# KiCad board multistepper.kicad_pcb
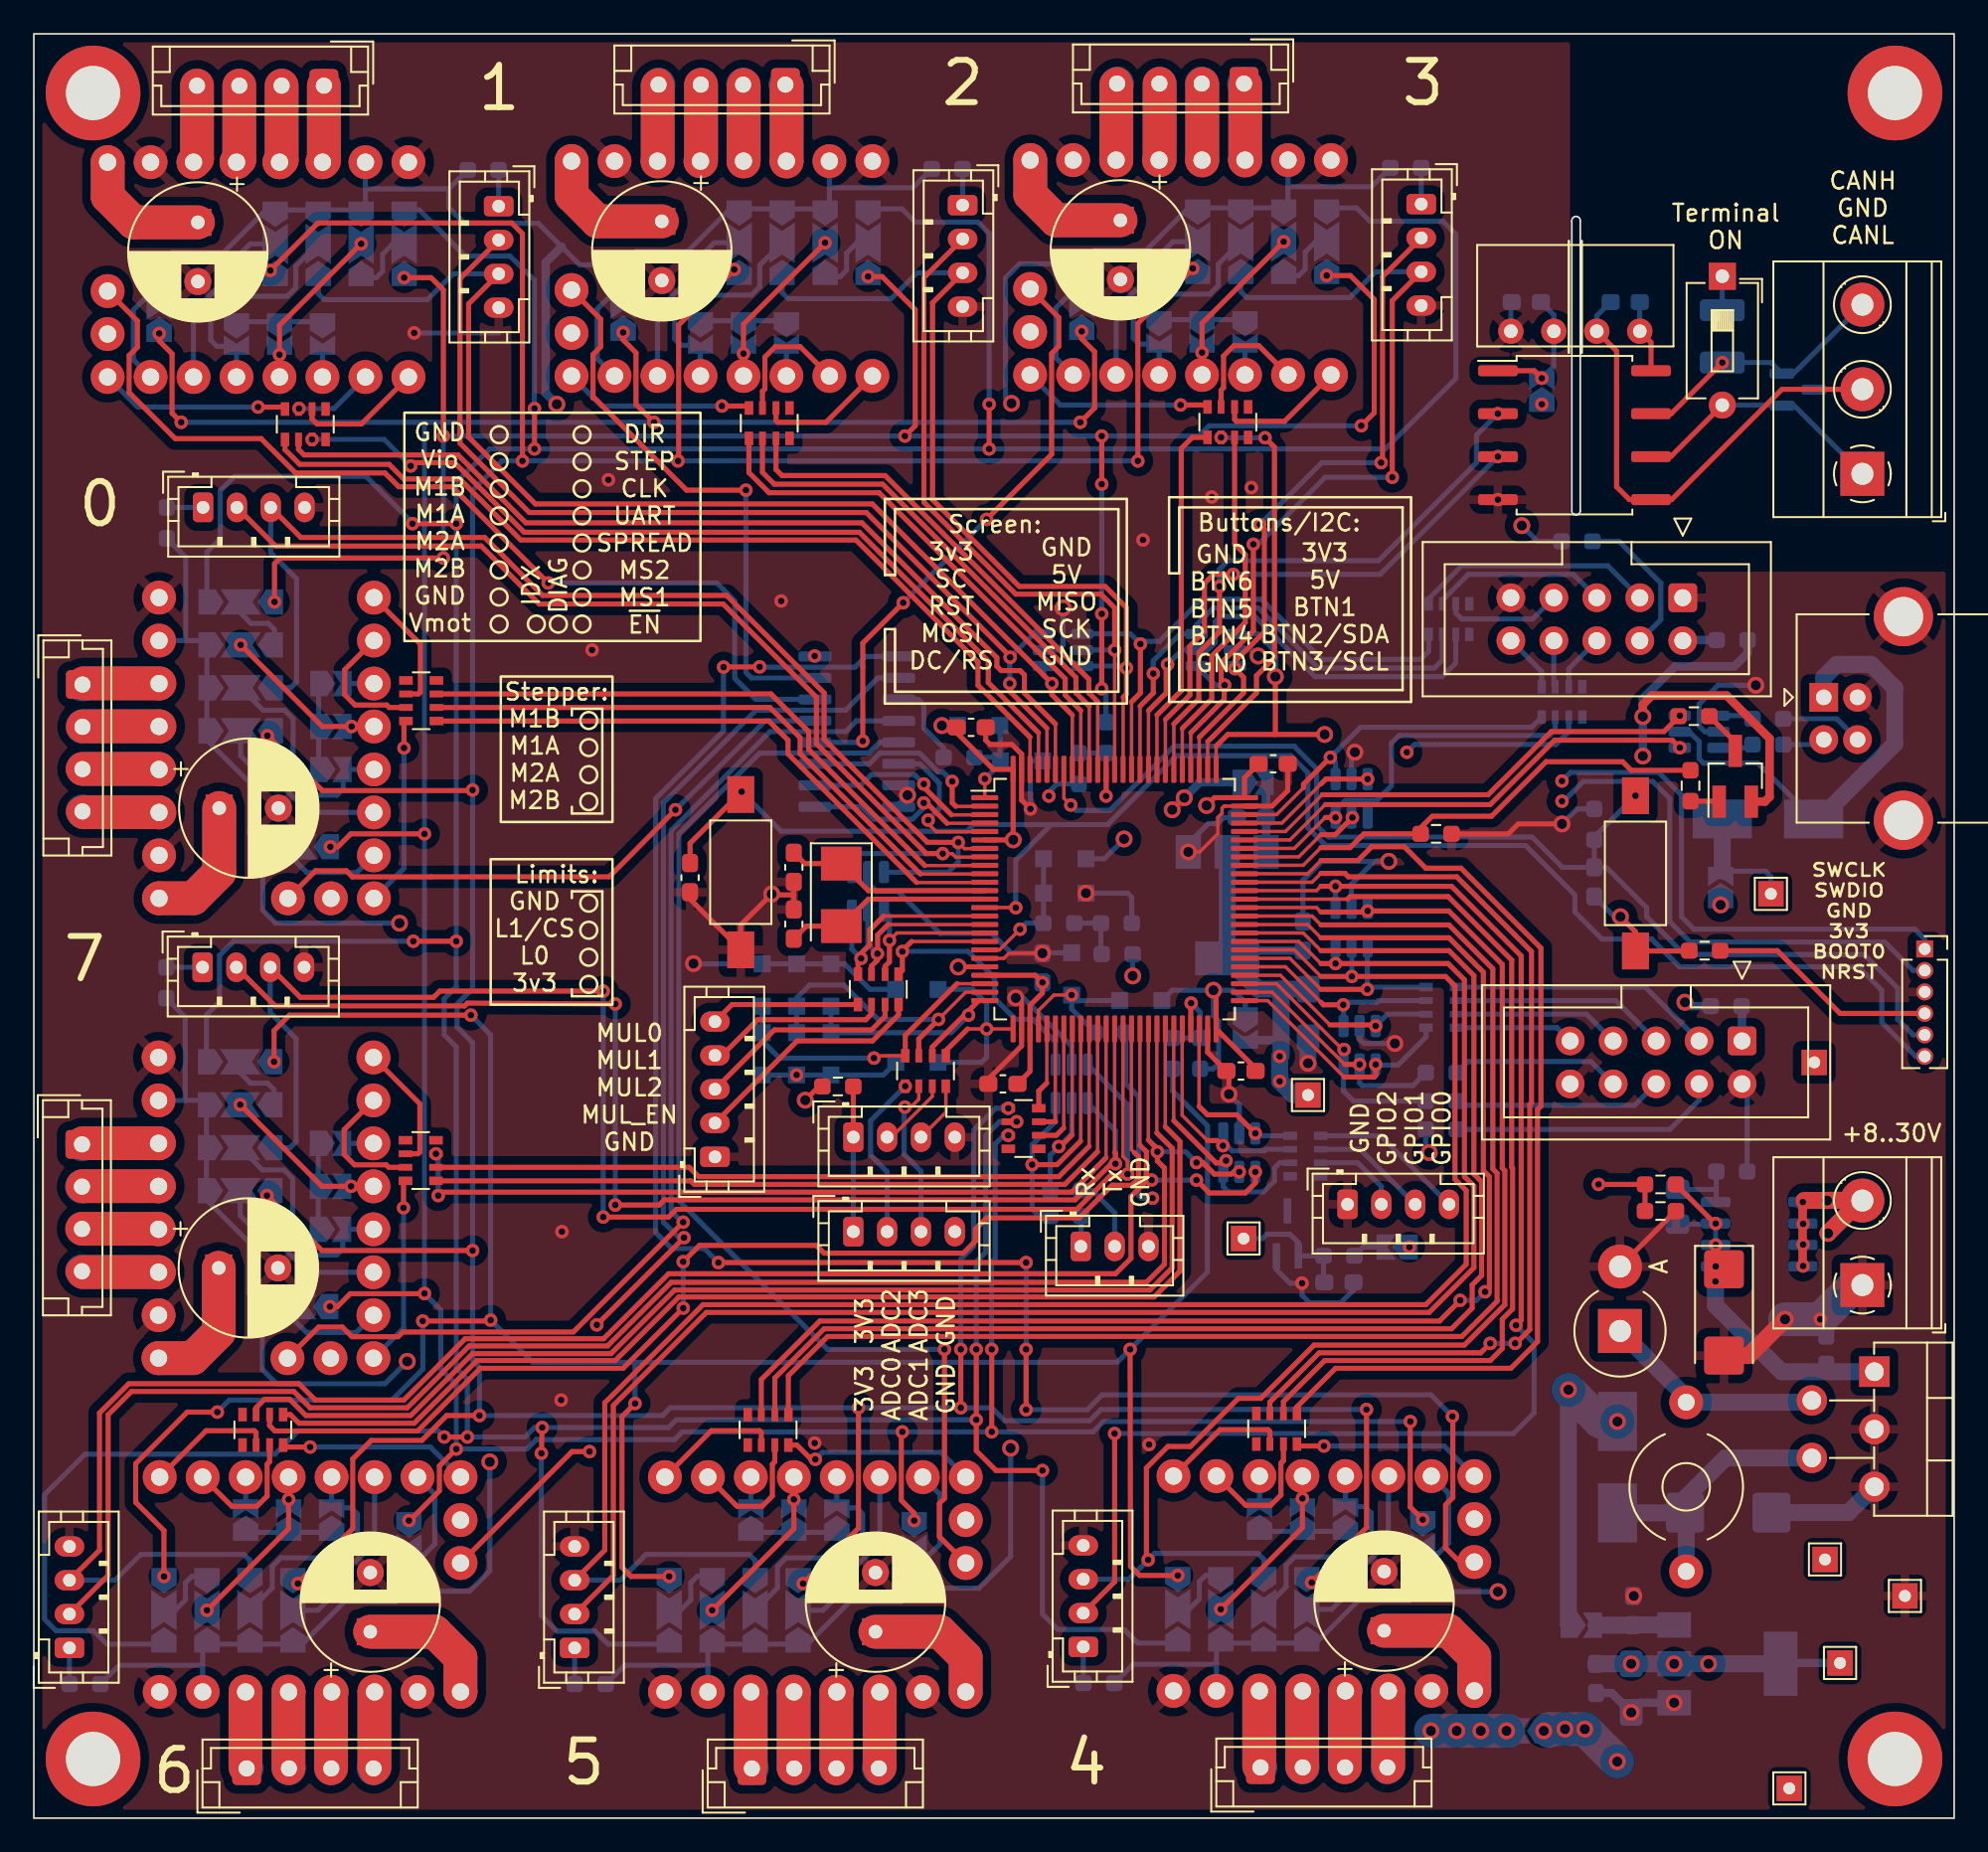
[diagram p0: board, top side]
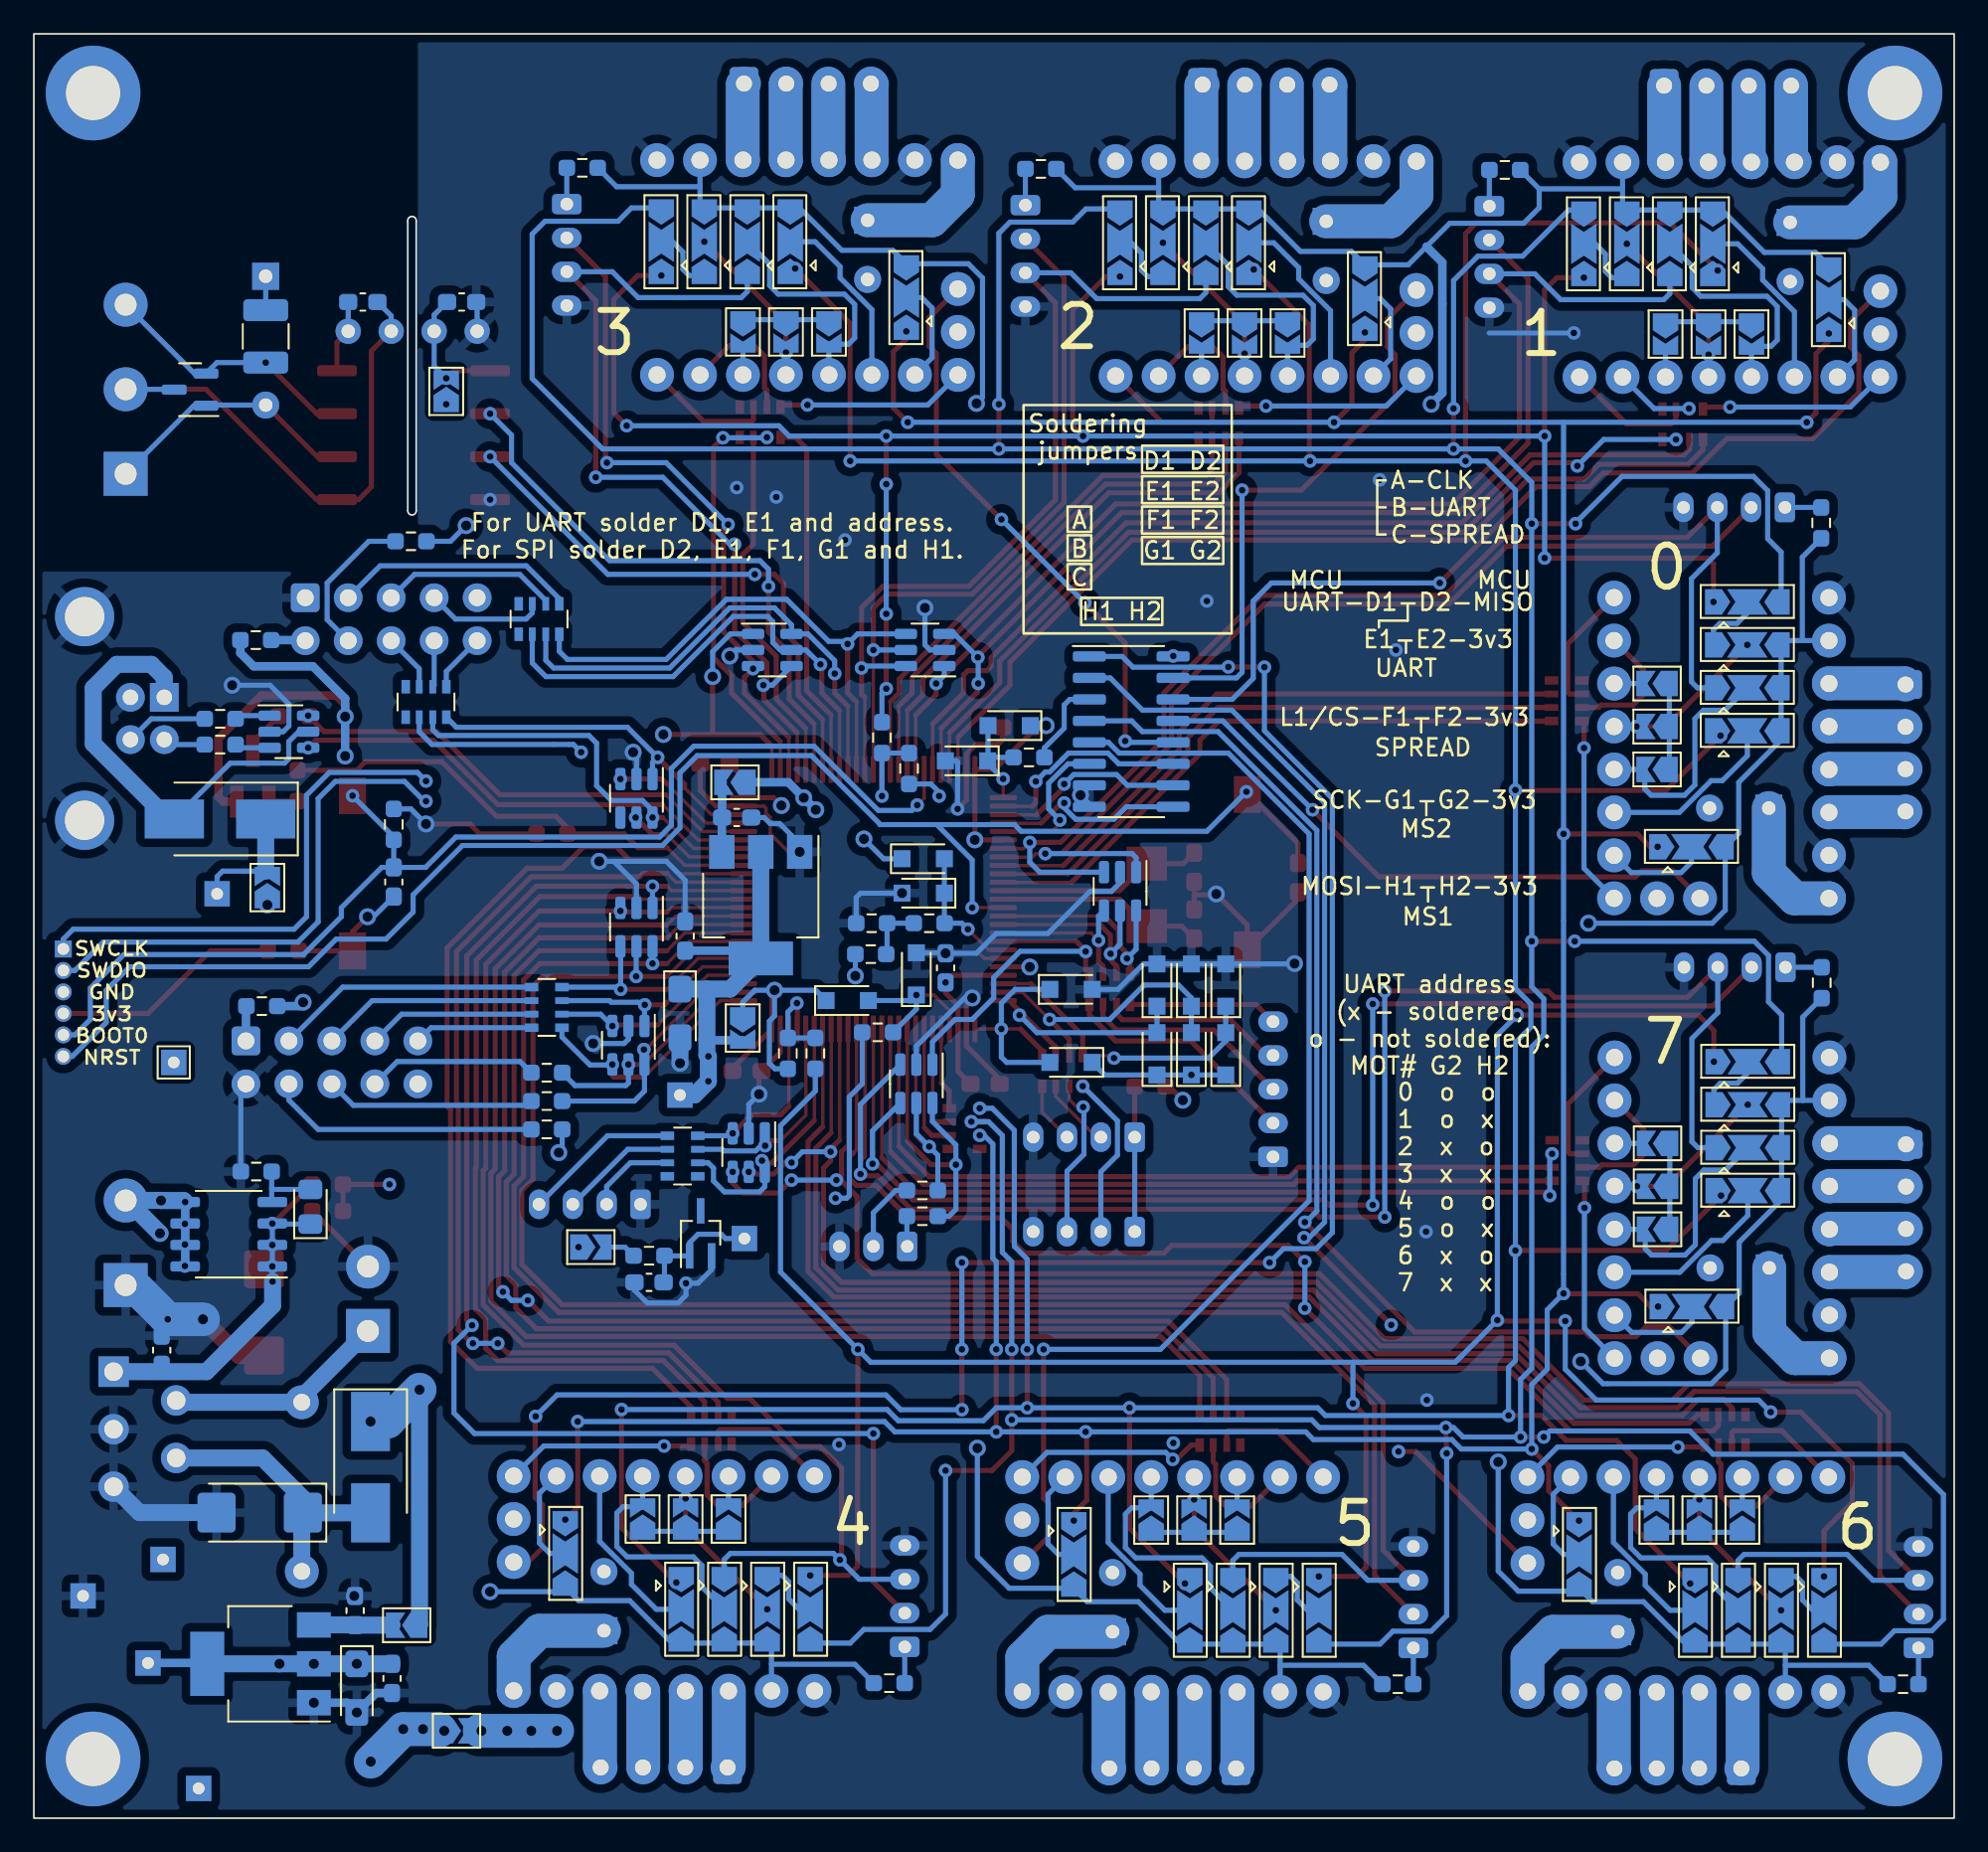
[diagram p1: board, bottom side, seen from below]

Outline 113.5 x 105.5 mm; copper layers: Top, Ground.Cu (plane), Power.Cu (plane), Bottom. Coordinates in mm from the lower left corner of the outline.
Outline path: rectangle 0,105.5 113.5,0 ; 90.9,94.4 90.9,77.3 arc(91.15,77.05) 91.4,77.3 91.4,94.4 arc(91.15,94.7) 90.9,94.4
Stack: Top 0.035mm / dielectric 1.51mm FR4 er 4.5 / Ground.Cu 0.035mm / dielectric 1.51mm FR4 er 4.5 / Power.Cu 0.035mm / dielectric 1.51mm FR4 er 4.5 / Bottom 0.035mm

## Placement (name value [footprint] x y rotation side)
C1  6  [C_0603_1608Metric_Pad1.08x0.95mm_HandSolder]  44.92 56.22 270 top
C2  0.1  [C_0603_1608Metric_Pad1.08x0.95mm_HandSolder]  38.78 55.61 270 top
C3  0.1  [C_0603_1608Metric_Pad1.08x0.95mm_HandSolder]  92.23 55.35 270 bottom
C4  6  [C_0603_1608Metric_Pad1.08x0.95mm_HandSolder]  44.92 52.86 90 top
C5  0.1  [C_0603_1608Metric_Pad1.08x0.95mm_HandSolder]  73.25 62.34 0 top
C6  0.1  [C_0603_1608Metric_Pad1.08x0.95mm_HandSolder]  71.35 44.18 180 top
C7  0.1  [C_0603_1608Metric_Pad1.08x0.95mm_HandSolder]  57.28 43.42 180 top
C8  0.1  [C_0603_1608Metric_Pad1.08x0.95mm_HandSolder]  59.61 50.27 90 bottom
C9  0.1  [C_0603_1608Metric_Pad1.08x0.95mm_HandSolder]  55.4 64.5 0 top
C10  1u  [C_0603_1608Metric_Pad1.08x0.95mm_HandSolder]  88.21 89.64 180 bottom
C11  1u  [C_0603_1608Metric_Pad1.08x0.95mm_HandSolder]  94.06 89.64 180 bottom
C12  1u  [C_0603_1608Metric_Pad1.08x0.95mm_HandSolder]  77.14 31.68 0 bottom
C13  0.1  [C_0603_1608Metric_Pad1.08x0.95mm_HandSolder]  105.94 27.67 90 bottom
C14  47u 35V  [CP_EIA-6032-28_Kemet-C_Pad2.25x2.35mm_HandSolder]  99.9 29.9 270 top
C15  0.1  [C_0603_1608Metric_Pad1.08x0.95mm_HandSolder]  71.96 59.16 180 bottom
C16  47u 6V  [CP_EIA-3216-18_Kemet-A_Pad1.58x1.35mm_HandSolder]  75.31 47.58 270 bottom
C17  47u 10V  [CP_EIA-6032-28_Kemet-C_Pad2.25x2.35mm_HandSolder]  100.15 18.07 0 bottom
C18  0.1  [C_0603_1608Metric_Pad1.08x0.95mm_HandSolder]  75.01 52.15 90 bottom
C19  100u 35V  [CP_Radial_D8.0mm_P3.50mm]  10.96 59.72 0 top
C20  100u 35V  [CP_Radial_D8.0mm_P3.50mm]  9.69 94.35 270 top
C21  100u 35V  [CP_Radial_D8.0mm_P3.50mm]  37.12 94.42 270 top
C22  100u 35V  [CP_Radial_D8.0mm_P3.50mm]  64.22 94.48 270 top
C23  100u 35V  [CP_Radial_D8.0mm_P3.50mm]  79.81 11.08 90 top
C24  100u 35V  [CP_Radial_D8.0mm_P3.50mm]  49.75 11.02 90 top
C25  100u 35V  [CP_Radial_D8.0mm_P3.50mm]  19.88 11.02 90 top
C26  100u 35V  [CP_Radial_D8.0mm_P3.50mm]  10.93 32.53 0 top
C27  0.1  [C_0603_1608Metric_Pad1.08x0.95mm_HandSolder]  94.51 12.28 90 bottom
C28  47u 6V  [CP_EIA-3216-18_Kemet-A_Pad1.58x1.35mm_HandSolder]  94.41 7.69 270 bottom
C29  0.1  [C_0603_1608Metric_Pad1.08x0.95mm_HandSolder]  92.33 8.26 270 bottom
D1  SP0505BAHT  [SOT-23-6]  77.88 60.3 270 bottom
D2  SP0505BAHT  [SOT-23-6]  69.85 69.07 180 bottom
D3  SP0505BAHT  [SOT-23-6]  60.83 69.07 0 bottom
D4  SP0505BAHT  [SOT-23-6]  49.3 54.8 270 bottom
D5  SP0505BAHT  [SOT-23-6]  61.34 43.42 270 bottom
D6  SP0505BAHT  [SOT-23-6]  71.25 39.35 270 bottom
D7  SP0505BAHT  [SOT-23-6]  78.36 45.7 270 bottom
D8  SP0505BAHT  [SOT-23-6]  77.88 52.68 270 bottom
D9  SS14  [D_SOD-323_HandSoldering]  43.05 45.19 90 bottom
D10  SS14  [D_SOD-323_HandSoldering]  45.08 45.19 90 bottom
D11  SS14  [D_SOD-323_HandSoldering]  47.12 45.19 90 bottom
D12  SS14  [D_SOD-323_HandSoldering]  52.2 44.69 0 bottom
D13  SS14  [D_SOD-323_HandSoldering]  65.42 48.34 180 bottom
D14  SS14  [D_SOD-323_HandSoldering]  60.93 56.73 180 bottom
D15  SS14  [D_SOD-323_HandSoldering]  55.85 64.6 0 bottom
D16  SS14  [D_SOD-323_HandSoldering]  43.05 49.26 90 bottom
D17  SS14  [D_SOD-323_HandSoldering]  45.08 49.26 90 bottom
D18  SS14  [D_SOD-323_HandSoldering]  47.12 49.26 90 bottom
D19  SS14  [D_SOD-323_HandSoldering]  52.2 49 180 bottom
D20  SS14  [D_SOD-323_HandSoldering]  61.34 49.92 90 bottom
D21  SS14  [D_SOD-323_HandSoldering]  60.93 54.69 0 bottom
D22  MBRS130L  [D_SMB_Handsoldering]  102.5 59.08 0 bottom
D23  SS14  [D_SOD-323_HandSoldering]  58.37 62.52 0 bottom
D24  PESD1CAN  [SOT-23]  104.27 84.46 0 bottom
D25  MM3Z7V5  [D_0805_2012Metric_Pad1.15x1.40mm_HandSolder]  97.15 36.15 90 bottom
D26  1N5822  [D_DO-201_P3.81mm_Vertical_AnodeUp]  93.75 28.81 90 top
D27  MBRS130L  [D_SMB_Handsoldering]  93.6 20.75 270 bottom
H1  MountingHole  [MountingHole_3.2mm_M3_DIN965_Pad]  3.5 102 0 top
H2  MountingHole  [MountingHole_3.2mm_M3_DIN965_Pad]  110 102 0 top
H3  MountingHole  [MountingHole_3.2mm_M3_DIN965_Pad]  3.5 3.5 0 top
H4  MountingHole  [MountingHole_3.2mm_M3_DIN965_Pad]  110 3.5 0 top
J1  Prog  [PinSocket_1x06_P1.27mm_Vertical]  111.76 51.39 0 top
J2  Buttons/I2C  [IDC-Header_2x05_P2.54mm_Vertical]  97.46 72.16 270 top
J3  Screen  [IDC-Header_2x05_P2.54mm_Vertical]  100.96 45.96 270 top
J4  ADC2  [JST_PH_B4B-PH-K_1x04_P2.00mm_Vertical]  48.43 34.68 0 top
J5  ADC1  [JST_PH_B4B-PH-K_1x04_P2.00mm_Vertical]  48.43 40.27 0 top
J6  MOT_MUL  [JST_PH_B5B-PH-K_1x05_P2.00mm_Vertical]  40.26 39.1 90 top
J7  GPIO  [JST_PH_B4B-PH-K_1x04_P2.00mm_Vertical]  77.64 36.3 0 top
J8  USB_B  [USB_B_OST_USB-B1HSxx_Horizontal]  105.79 66.27 0 top
J9  Screw_Terminal_01x03  [TerminalBlock_Phoenix_MKDS-1,5-3_1x03_P5.00mm_Horizontal]  108.08 79.48 90 top
J10  Screw_Terminal_01x02  [TerminalBlock_Phoenix_MKDS-1,5-2_1x02_P5.00mm_Horizontal]  108.08 31.52 90 top
J11  LimS  [JST_PH_B4B-PH-K_1x04_P2.00mm_Vertical]  10 77.5 0 top
J12  Stepper  [JST_EH_B4B-EH-A_1x04_P2.50mm_Vertical]  2.87 67.03 270 top
J13  UART  [JST_PH_B3B-PH-K_1x03_P2.00mm_Vertical]  61.88 33.81 0 top
J14  LimS  [JST_PH_B4B-PH-K_1x04_P2.00mm_Vertical]  27.47 95.31 270 top
J15  Stepper  [JST_EH_B4B-EH-A_1x04_P2.50mm_Vertical]  17.14 102.44 180 top
J16  LimS  [JST_PH_B4B-PH-K_1x04_P2.00mm_Vertical]  54.9 95.37 270 top
J17  Stepper  [JST_EH_B4B-EH-A_1x04_P2.50mm_Vertical]  44.42 102.5 180 top
J18  LimS  [JST_PH_B4B-PH-K_1x04_P2.00mm_Vertical]  82 95.43 270 top
J19  Stepper  [JST_EH_B4B-EH-A_1x04_P2.50mm_Vertical]  71.53 102.56 180 top
J20  LimS  [JST_PH_B4B-PH-K_1x04_P2.00mm_Vertical]  62.03 10.13 90 top
J21  Stepper  [JST_EH_B4B-EH-A_1x04_P2.50mm_Vertical]  72.5 3 0 top
J22  LimS  [JST_PH_B4B-PH-K_1x04_P2.00mm_Vertical]  31.97 10.07 90 top
J23  Stepper  [JST_EH_B4B-EH-A_1x04_P2.50mm_Vertical]  42.44 2.94 0 top
J24  LimS  [JST_PH_B4B-PH-K_1x04_P2.00mm_Vertical]  2.1 10.07 90 top
J25  Stepper  [JST_EH_B4B-EH-A_1x04_P2.50mm_Vertical]  12.58 2.94 0 top
J26  LimS  [JST_PH_B4B-PH-K_1x04_P2.00mm_Vertical]  9.97 50.31 0 top
J27  Stepper  [JST_EH_B4B-EH-A_1x04_P2.50mm_Vertical]  2.85 39.84 270 top
JP1  CAN  [SolderJumper-2_P1.3mm_Open_TrianglePad1.0x1.5mm]  89.13 84.36 90 bottom
JP2  USB5V  [SolderJumper-2_P1.3mm_Open_TrianglePad1.0x1.5mm]  99.7 55.02 90 bottom
JP3  MCU  [SolderJumper-2_P1.3mm_Open_TrianglePad1.0x1.5mm]  71.6 46.72 270 bottom
JP4  3V3ADC  [SolderJumper-2_P1.3mm_Open_TrianglePad1.0x1.5mm]  80.58 33.76 180 bottom
JP5  3V3  [SolderJumper-2_P1.3mm_Open_TrianglePad1.0x1.5mm]  72.06 61.25 0 bottom
JP6  Vdrive  [SolderJumper-2_P1.3mm_Open_TrianglePad1.0x1.5mm]  88.52 5.16 180 bottom
JP7  Vio  [SolderJumper-2_P1.3mm_Open_TrianglePad1.0x1.5mm]  91.46 11.41 0 bottom
JP8  SolderJumper_3_Open  [SolderJumper-3_P2.0mm_Open_TrianglePad1.0x1.5mm]  12.23 69.37 180 bottom
JP9  SolderJumper_3_Open  [SolderJumper-3_P2.0mm_Open_TrianglePad1.0x1.5mm]  12.23 71.91 180 bottom
JP10  SolderJumper_3_Open  [SolderJumper-3_P2.0mm_Open_TrianglePad1.0x1.5mm]  15.53 57.43 180 bottom
JP11  SolderJumper_3_Open  [SolderJumper-3_P2.0mm_Open_TrianglePad1.0x1.5mm]  12.23 64.29 180 bottom
JP12  SolderJumper_3_Open  [SolderJumper-3_P2.0mm_Open_TrianglePad1.0x1.5mm]  12.23 66.83 180 bottom
JP13  SolderJumper_2_Bridged  [SolderJumper-2_P1.3mm_Open_TrianglePad1.0x1.5mm]  17.56 62.01 0 bottom
JP14  SolderJumper_2_Bridged  [SolderJumper-2_P1.3mm_Open_TrianglePad1.0x1.5mm]  17.56 64.55 0 bottom
JP15  SolderJumper_2_Bridged  [SolderJumper-2_P1.3mm_Open_TrianglePad1.0x1.5mm]  17.56 67.09 0 bottom
JP16  SolderJumper_3_Open  [SolderJumper-3_P2.0mm_Open_TrianglePad1.0x1.5mm]  19.35 93.08 90 bottom
JP17  SolderJumper_3_Open  [SolderJumper-3_P2.0mm_Open_TrianglePad1.0x1.5mm]  21.89 93.08 90 bottom
JP18  SolderJumper_3_Open  [SolderJumper-3_P2.0mm_Open_TrianglePad1.0x1.5mm]  7.41 89.78 90 bottom
JP19  SolderJumper_3_Open  [SolderJumper-3_P2.0mm_Open_TrianglePad1.0x1.5mm]  14.27 93.08 90 bottom
JP20  SolderJumper_3_Open  [SolderJumper-3_P2.0mm_Open_TrianglePad1.0x1.5mm]  16.81 93.08 90 bottom
JP21  SolderJumper_2_Bridged  [SolderJumper-2_P1.3mm_Open_TrianglePad1.0x1.5mm]  11.98 87.75 270 bottom
JP22  SolderJumper_2_Bridged  [SolderJumper-2_P1.3mm_Open_TrianglePad1.0x1.5mm]  14.52 87.75 270 bottom
JP23  SolderJumper_2_Bridged  [SolderJumper-2_P1.3mm_Open_TrianglePad1.0x1.5mm]  17.06 87.75 270 bottom
JP24  SolderJumper_3_Open  [SolderJumper-3_P2.0mm_Open_TrianglePad1.0x1.5mm]  46.77 93.15 90 bottom
JP25  SolderJumper_3_Open  [SolderJumper-3_P2.0mm_Open_TrianglePad1.0x1.5mm]  49.31 93.15 90 bottom
JP26  SolderJumper_3_Open  [SolderJumper-3_P2.0mm_Open_TrianglePad1.0x1.5mm]  34.83 89.84 90 bottom
JP27  SolderJumper_3_Open  [SolderJumper-3_P2.0mm_Open_TrianglePad1.0x1.5mm]  41.69 93.15 90 bottom
JP28  SolderJumper_3_Open  [SolderJumper-3_P2.0mm_Open_TrianglePad1.0x1.5mm]  44.23 93.15 90 bottom
JP29  SolderJumper_2_Bridged  [SolderJumper-2_P1.3mm_Open_TrianglePad1.0x1.5mm]  39.4 87.81 270 bottom
JP30  SolderJumper_2_Bridged  [SolderJumper-2_P1.3mm_Open_TrianglePad1.0x1.5mm]  41.94 87.81 270 bottom
JP31  SolderJumper_2_Bridged  [SolderJumper-2_P1.3mm_Open_TrianglePad1.0x1.5mm]  44.48 87.81 270 bottom
JP32  SolderJumper_3_Open  [SolderJumper-3_P2.0mm_Open_TrianglePad1.0x1.5mm]  73.87 93.21 90 bottom
JP33  SolderJumper_3_Open  [SolderJumper-3_P2.0mm_Open_TrianglePad1.0x1.5mm]  76.41 93.21 90 bottom
JP34  SolderJumper_3_Open  [SolderJumper-3_P2.0mm_Open_TrianglePad1.0x1.5mm]  61.93 89.91 90 bottom
JP35  SolderJumper_3_Open  [SolderJumper-3_P2.0mm_Open_TrianglePad1.0x1.5mm]  68.79 93.21 90 bottom
JP36  SolderJumper_3_Open  [SolderJumper-3_P2.0mm_Open_TrianglePad1.0x1.5mm]  71.33 93.21 90 bottom
JP37  SolderJumper_2_Bridged  [SolderJumper-2_P1.3mm_Open_TrianglePad1.0x1.5mm]  66.51 87.87 270 bottom
JP38  SolderJumper_2_Bridged  [SolderJumper-2_P1.3mm_Open_TrianglePad1.0x1.5mm]  69.05 87.87 270 bottom
JP39  SolderJumper_2_Bridged  [SolderJumper-2_P1.3mm_Open_TrianglePad1.0x1.5mm]  71.59 87.87 270 bottom
JP40  SolderJumper_3_Open  [SolderJumper-3_P2.0mm_Open_TrianglePad1.0x1.5mm]  70.15 12.35 270 bottom
JP41  SolderJumper_3_Open  [SolderJumper-3_P2.0mm_Open_TrianglePad1.0x1.5mm]  67.61 12.35 270 bottom
JP42  SolderJumper_3_Open  [SolderJumper-3_P2.0mm_Open_TrianglePad1.0x1.5mm]  82.09 15.65 270 bottom
JP43  SolderJumper_3_Open  [SolderJumper-3_P2.0mm_Open_TrianglePad1.0x1.5mm]  75.23 12.35 270 bottom
JP44  SolderJumper_3_Open  [SolderJumper-3_P2.0mm_Open_TrianglePad1.0x1.5mm]  72.69 12.35 270 bottom
JP45  SolderJumper_2_Bridged  [SolderJumper-2_P1.3mm_Open_TrianglePad1.0x1.5mm]  77.52 17.69 90 bottom
JP46  SolderJumper_2_Bridged  [SolderJumper-2_P1.3mm_Open_TrianglePad1.0x1.5mm]  74.98 17.69 90 bottom
JP47  SolderJumper_2_Bridged  [SolderJumper-2_P1.3mm_Open_TrianglePad1.0x1.5mm]  72.44 17.69 90 bottom
JP48  SolderJumper_3_Open  [SolderJumper-3_P2.0mm_Open_TrianglePad1.0x1.5mm]  40.09 12.29 270 bottom
JP49  SolderJumper_3_Open  [SolderJumper-3_P2.0mm_Open_TrianglePad1.0x1.5mm]  37.55 12.29 270 bottom
JP50  SolderJumper_3_Open  [SolderJumper-3_P2.0mm_Open_TrianglePad1.0x1.5mm]  52.03 15.59 270 bottom
JP51  SolderJumper_3_Open  [SolderJumper-3_P2.0mm_Open_TrianglePad1.0x1.5mm]  45.17 12.29 270 bottom
JP52  SolderJumper_3_Open  [SolderJumper-3_P2.0mm_Open_TrianglePad1.0x1.5mm]  42.63 12.29 270 bottom
JP53  SolderJumper_2_Bridged  [SolderJumper-2_P1.3mm_Open_TrianglePad1.0x1.5mm]  47.46 17.63 90 bottom
JP54  SolderJumper_2_Bridged  [SolderJumper-2_P1.3mm_Open_TrianglePad1.0x1.5mm]  44.92 17.63 90 bottom
JP55  SolderJumper_2_Bridged  [SolderJumper-2_P1.3mm_Open_TrianglePad1.0x1.5mm]  42.38 17.63 90 bottom
JP56  SolderJumper_3_Open  [SolderJumper-3_P2.0mm_Open_TrianglePad1.0x1.5mm]  10.23 12.29 270 bottom
JP57  SolderJumper_3_Open  [SolderJumper-3_P2.0mm_Open_TrianglePad1.0x1.5mm]  7.69 12.29 270 bottom
JP58  SolderJumper_3_Open  [SolderJumper-3_P2.0mm_Open_TrianglePad1.0x1.5mm]  22.17 15.59 270 bottom
JP59  SolderJumper_3_Open  [SolderJumper-3_P2.0mm_Open_TrianglePad1.0x1.5mm]  15.31 12.29 270 bottom
JP60  SolderJumper_3_Open  [SolderJumper-3_P2.0mm_Open_TrianglePad1.0x1.5mm]  12.77 12.29 270 bottom
JP61  SolderJumper_2_Bridged  [SolderJumper-2_P1.3mm_Open_TrianglePad1.0x1.5mm]  17.6 17.63 90 bottom
JP62  SolderJumper_2_Bridged  [SolderJumper-2_P1.3mm_Open_TrianglePad1.0x1.5mm]  15.06 17.63 90 bottom
JP63  SolderJumper_2_Bridged  [SolderJumper-2_P1.3mm_Open_TrianglePad1.0x1.5mm]  12.52 17.63 90 bottom
JP64  SolderJumper_3_Open  [SolderJumper-3_P2.0mm_Open_TrianglePad1.0x1.5mm]  12.2 42.18 180 bottom
JP65  SolderJumper_3_Open  [SolderJumper-3_P2.0mm_Open_TrianglePad1.0x1.5mm]  12.2 44.72 180 bottom
JP66  SolderJumper_3_Open  [SolderJumper-3_P2.0mm_Open_TrianglePad1.0x1.5mm]  15.5 30.25 180 bottom
JP67  SolderJumper_3_Open  [SolderJumper-3_P2.0mm_Open_TrianglePad1.0x1.5mm]  12.2 37.1 180 bottom
JP68  SolderJumper_3_Open  [SolderJumper-3_P2.0mm_Open_TrianglePad1.0x1.5mm]  12.2 39.64 180 bottom
JP69  SolderJumper_2_Bridged  [SolderJumper-2_P1.3mm_Open_TrianglePad1.0x1.5mm]  17.53 34.82 0 bottom
JP70  SolderJumper_2_Bridged  [SolderJumper-2_P1.3mm_Open_TrianglePad1.0x1.5mm]  17.53 37.36 0 bottom
JP71  SolderJumper_2_Bridged  [SolderJumper-2_P1.3mm_Open_TrianglePad1.0x1.5mm]  17.53 39.9 0 bottom
L1  100u  [L_Toroid_Horizontal_D6.5mm_P10.00mm_Diameter7-5mm_Amidon-T25]  97.66 14.59 90 top
Q1  B0505S  [B0x0xS]  91.11 87.92 0 top
Q2  IRF9310  [SO-8_3.9x4.9mm_P1.27mm]  101.98 34.53 0 bottom
Q3  AO3401  [SOT-23_Handsoldering]  100.56 61.6 90 top
R1  10k  [R_0603_1608Metric_Pad0.98x0.95mm_HandSolder]  92.23 58.76 90 bottom
R2  22  [R_0603_1608Metric_Pad0.98x0.95mm_HandSolder]  98.75 51.29 0 top
R3  7.5  [R_0603_1608Metric_Pad0.98x0.95mm_HandSolder]  100.38 69.65 0 bottom
R4  7.5  [R_0603_1608Metric_Pad0.98x0.95mm_HandSolder]  100.02 48.01 180 bottom
R5  5.1  [R_0603_1608Metric_Pad0.98x0.95mm_HandSolder]  83.18 40.72 0 bottom
R6  330  [R_0603_1608Metric_Pad0.98x0.95mm_HandSolder]  54.69 62.72 0 bottom
R7  330  [R_0603_1608Metric_Pad0.98x0.95mm_HandSolder]  60.58 52.92 180 bottom
R8  330  [R_0603_1608Metric_Pad0.98x0.95mm_HandSolder]  63.63 46.46 0 bottom
R9  22  [R_0603_1608Metric_Pad0.98x0.95mm_HandSolder]  47.52 43.26 0 top
R10  91k  [R_0603_1608Metric_Pad0.98x0.95mm_HandSolder]  96.14 37.47 0 top
R11  10k  [R_0603_1608Metric_Pad0.98x0.95mm_HandSolder]  96.14 35.9 180 top
R12  47k  [R_0603_1608Metric_Pad0.98x0.95mm_HandSolder]  64.03 51.09 0 bottom
R13  47k  [R_0603_1608Metric_Pad0.98x0.95mm_HandSolder]  63.98 52.92 180 bottom
R14  330  [R_0603_1608Metric_Pad0.98x0.95mm_HandSolder]  83.18 44.08 0 bottom
R15  330  [R_0603_1608Metric_Pad0.98x0.95mm_HandSolder]  83.18 42.4 0 bottom
R16  22  [R_0603_1608Metric_Pad0.98x0.95mm_HandSolder]  102.49 63.48 180 bottom
R17  22  [R_0603_1608Metric_Pad0.98x0.95mm_HandSolder]  102.49 65 180 bottom
R18  120  [R_1210_3225Metric_Pad1.30x2.65mm_HandSolder]  99.8 87.61 270 bottom
R19  4k7  [R_0603_1608Metric_Pad0.98x0.95mm_HandSolder]  100.35 38.23 0 bottom
R20  4k7  [R_0603_1608Metric_Pad0.98x0.95mm_HandSolder]  77.14 33.26 0 bottom
R21  100  [R_0603_1608Metric_Pad0.98x0.95mm_HandSolder]  67.31 45.22 270 bottom
R22  100  [R_0603_1608Metric_Pad0.98x0.95mm_HandSolder]  63.37 63.89 90 bottom
R23  100  [R_0603_1608Metric_Pad0.98x0.95mm_HandSolder]  7.86 76.58 90 bottom
R24  22  [R_0603_1608Metric_Pad0.98x0.95mm_HandSolder]  60.98 35.59 0 bottom
R25  22  [R_0603_1608Metric_Pad0.98x0.95mm_HandSolder]  60.98 37.12 0 bottom
R26  100  [R_0603_1608Metric_Pad0.98x0.95mm_HandSolder]  26.56 97.45 0 bottom
R27  100  [R_0603_1608Metric_Pad0.98x0.95mm_HandSolder]  53.98 97.51 0 bottom
R28  100  [R_0603_1608Metric_Pad0.98x0.95mm_HandSolder]  81.08 97.58 0 bottom
R29  100  [R_0603_1608Metric_Pad0.98x0.95mm_HandSolder]  62.94 7.98 180 bottom
R30  100  [R_0603_1608Metric_Pad0.98x0.95mm_HandSolder]  32.88 7.92 180 bottom
R31  100  [R_0603_1608Metric_Pad0.98x0.95mm_HandSolder]  3.02 7.92 180 bottom
R32  100  [R_0603_1608Metric_Pad0.98x0.95mm_HandSolder]  7.83 49.4 90 bottom
R33  1k5  [R_0603_1608Metric_Pad0.98x0.95mm_HandSolder]  98.12 65.16 180 top
R34  7.5  [R_0603_1608Metric_Pad0.98x0.95mm_HandSolder]  91.21 75.5 180 bottom
R35  10k  [R_0603_1608Metric_Pad0.98x0.95mm_HandSolder]  82.88 58.2 0 top
R36  330  [R_0603_1608Metric_Pad0.98x0.95mm_HandSolder]  97.92 61.04 270 top
R37  1k  [R_0603_1608Metric_Pad0.98x0.95mm_HandSolder]  68.93 45.22 270 bottom
R38  1k  [R_0603_1608Metric_Pad0.98x0.95mm_HandSolder]  61.77 62.06 270 bottom
RN1  330  [R_Array_Convex_4x0603]  83.64 70.9 270 bottom
RN2  330  [R_Array_Convex_4x0603]  75.16 39.15 180 bottom
RN3  330  [R_Array_Convex_4x0603]  90.32 66 90 bottom
RN4  330  [R_Array_Convex_4x0603]  83.18 47.94 0 bottom
RN5  330  [R_Array_Convex_4x0603]  52.7 44.18 90 top
RN6  330  [R_Array_Convex_4x0603]  49.91 49 90 top
RN7  330  [R_Array_Convex_4x0603]  58.5 40.77 0 top
RN8  330  [R_Array_Convex_4x0603]  22.89 66.07 0 top
RN9  330  [R_Array_Convex_4x0603]  16.04 82.42 270 top
RN10  330  [R_Array_Convex_4x0603]  43.47 82.48 270 top
RN11  330  [R_Array_Convex_4x0603]  70.57 82.54 270 top
RN12  330  [R_Array_Convex_4x0603]  73.46 23.02 90 top
RN13  330  [R_Array_Convex_4x0603]  43.4 22.96 90 top
RN14  330  [R_Array_Convex_4x0603]  13.53 22.96 90 top
RN15  330  [R_Array_Convex_4x0603]  22.87 38.88 0 top
SW1  Reset  [SW_SPST_FSMSM]  41.78 55.93 270 top
SW2  Boot  [SW_SPST_FSMSM]  94.66 55.86 270 top
SW3  SW_DIP_x01  [SW_DIP_SPSTx01_Slide_6.7x4.1mm_W7.62mm_P2.54mm_LowProfile]  99.8 91.17 270 top
TP1  5Vusb  [TestPoint_THTPad_1.5x1.5mm_Drill0.7mm]  102.67 54.65 0 top
TP2  Vin  [TestPoint_THTPad_1.5x1.5mm_Drill0.7mm]  103.76 1.76 0 top
TP3  Gnd  [TestPoint_THTPad_1.5x1.5mm_Drill0.7mm]  110.59 13.14 0 top
TP4  5Vext  [TestPoint_THTPad_1.5x1.5mm_Drill0.7mm]  105.87 15.3 0 top
TP5  3.3V  [TestPoint_THTPad_1.5x1.5mm_Drill0.7mm]  75.31 42.76 0 top
TP6  3V3ADC  [TestPoint_THTPad_1.5x1.5mm_Drill0.7mm]  71.5 34.27 0 top
TP7  5V  [TestPoint_THTPad_1.5x1.5mm_Drill0.7mm]  105.23 44.69 180 bottom
TP8  Vio  [TestPoint_THTPad_1.5x1.5mm_Drill0.7mm]  106.76 9.18 0 top
U1  STM32F303VDTx  [LQFP-100_14x14mm_P0.5mm]  63.88 54.34 0 top
U2  ISO1050DUB  [SOP-8_6.62x9.15mm_P2.54mm]  91.06 81.77 0 top
U3  USBLC6-2SC6  [SOT-23-6]  98.42 64.24 180 bottom
U4  LM4050A(b)EX3-3.3  [SOT-323_SC-70_Handsoldering]  74.09 34.58 90 bottom